# Altium PCB PCB1.pcbdoc (part 3 of 4)
Units mm, origin at the board's own origin, x right, y up, seen from the top; angles counter-clockwise.
Board outline 96.52 x 122.17 mm, 4 copper layers (Top Layer, Inner1, Inner2, Bottom Layer); 129 components, 127 nets, 709 pads, 318 vias.
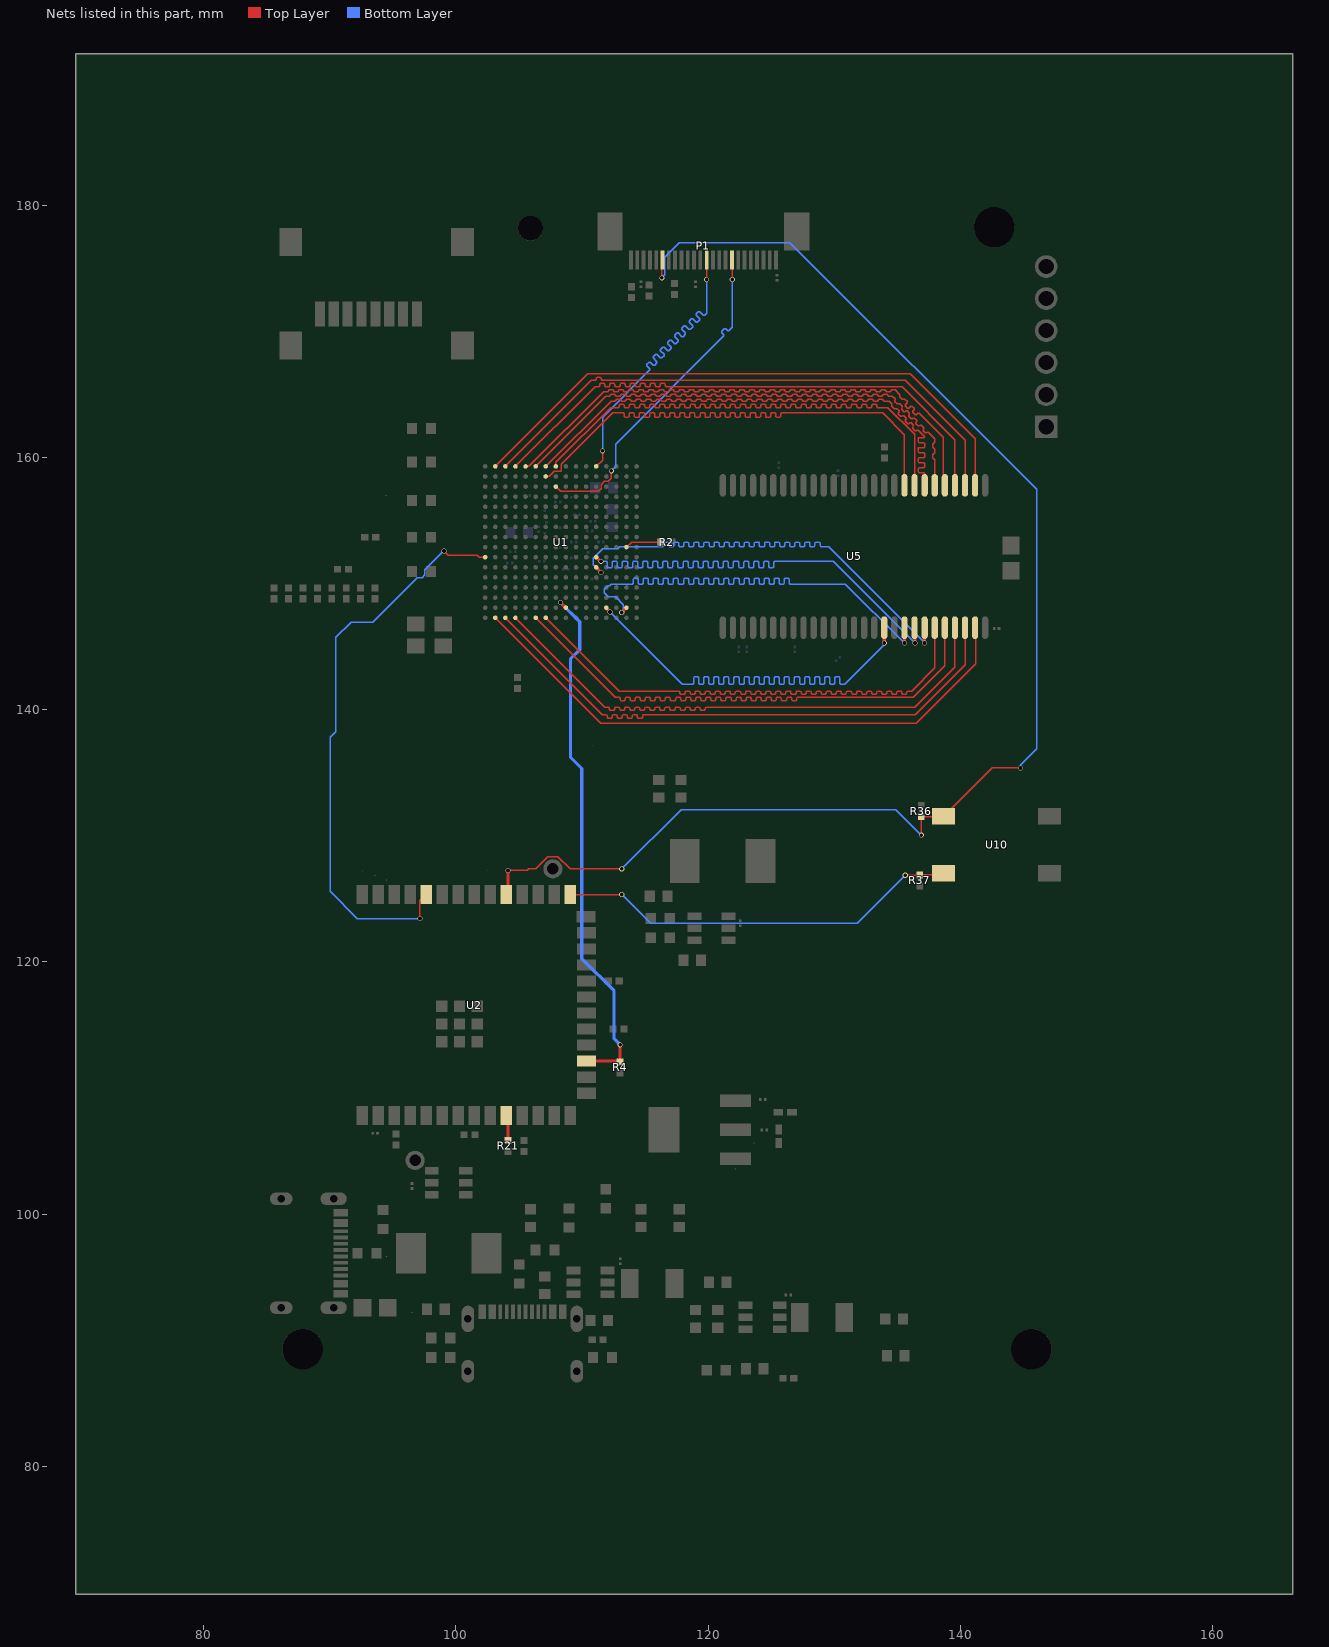
[diagram p5: the nets of this part, all layers, seen from the top]

## Via types
v1: diameter 0.4, hole 0.3, Top Layer to Bottom Layer, 291 vias
v2: diameter 1, hole 0.5, Top Layer to Bottom Layer, 26 vias
v3: diameter 0.5, hole 0.3, Top Layer to Bottom Layer, 1 vias

## Nets (pads, with @x,y where several pads share a name; then routed paths per layer and width w, separated by ;. In a path a pad name is that pad's centre, name@x,y a point inside that pad or via, vN(x,y) a via of type N, cw(c..) or ccw(c..) an arc to the next point about the centre after c; other vN are vias at no path point) (continued)
MCLK: P1.13 U1.A12 | length 27.1
  Top Layer w0.1: U1.A12@111.131,159.289 111.633,159.791 v1(111.633,160.528) ; v1(119.888,174.117) P1.13@119.888,175.655
  Bottom Layer w0.1: v1(111.633,160.528) 111.633,163.195 115.378,166.94 115.378,167.04 115.147,167.271 115.147,167.371 115.33,167.554 115.43,167.554 115.661,167.323 115.761,167.323 115.944,167.506 115.944,167.606 115.663,167.887 115.663,167.987 115.846,168.17 115.946,168.17 116.227,167.889 116.327,167.889 116.509,168.071 116.509,168.171 116.228,168.452 116.228,168.552 116.411,168.735 116.511,168.735 116.792,168.454 116.892,168.454 117.075,168.637 117.075,168.737 116.794,169.018 116.794,169.118 116.977,169.301 117.077,169.301 117.358,169.02 117.458,169.02 117.641,169.203 117.641,169.303 117.36,169.584 117.36,169.684 117.543,169.867 117.643,169.867 117.924,169.586 118.024,169.586 118.206,169.768 118.206,169.868 117.925,170.149 117.925,170.249 118.108,170.432 118.208,170.432 118.489,170.151 118.589,170.151 118.772,170.334 118.772,170.434 118.491,170.715 118.491,170.815 118.674,170.998 118.774,170.998 119.055,170.717 119.155,170.717 119.338,170.9 119.338,171 119.057,171.281 119.057,171.381 119.24,171.564 119.34,171.564 119.621,171.283 119.721,171.283 119.888,171.45 v1(119.888,174.117)
PCLK: P1.17 U1.C8 | length 27
  Top Layer w0.1: U1.C8@107.931,157.689 108.313,157.307 111.289,157.307 111.513,157.531 111.513,157.847 111.773,158.107 112.089,158.107 112.313,158.331 112.313,158.647 112.331,158.665 v1(112.331,158.937) ; P1.17@121.888,175.656 121.92,175.624 v1(121.92,174.117)
  Bottom Layer w0.1: v1(112.331,158.937) 112.67,159.276 112.67,161.057 121.26,169.647 121.26,169.747 121.106,169.901 121.106,170.001 121.288,170.183 121.388,170.183 121.542,170.029 121.642,170.029 121.92,170.307 v1(121.92,174.117)
PROGRAM: R37.1 U2.27 U10.3 | length 32.2
  Top Layer w0.1: U2.27@109.088,125.336 113.144,125.336 v1(113.157,125.349) ; v1(135.636,126.873) 136.751,126.873 R37.1@136.779,126.901 138.541,126.901 U10.3@138.675,127.036
  Bottom Layer w0.1: v1(113.157,125.349) 115.443,123.063 131.826,123.063 v1(135.636,126.873)
PROGRAMN: pad.55@109.093,136.377 R4.2 U1.R9 U2.17 | length 42.2
  Top Layer w0.254: v1(108.294,148.5) 108.32,148.5 U1.R9@108.731,148.089 ; U2.17@110.495,112.141 112.955,112.141 R4.2@113.03,112.066 v1(113.03,113.428)
  Bottom Layer w0.254: v1(108.294,148.5) 109.826,146.968 109.826,144.758 109.093,144.025 pad.55@109.093,136.377 109.093,136.229 109.982,135.34 109.982,120.269 112.551,117.7 112.551,113.907 v1(113.03,113.428)
RESET: P1.6 R36.1 U2.31 U10.1 | length 113.1
  Top Layer w0.1: v1(104.135,127.254) 105.664,127.254 105.791,127.381 106.333,127.381 107.297,128.345 108.095,128.345 109.059,127.381 v1(113.157,127.381) ; v1(116.332,174.244) 116.332,175.599 P1.6@116.389,175.655 ; v1(136.906,130.048) R36.1@136.906,131.52 138.659,131.52 U10.1@138.675,131.536 142.521,135.382 v1(144.78,135.382)
  Top Layer w0.254: U2.31@104.135,125.336 v1(104.135,127.254)
  Bottom Layer w0.1: v1(113.157,127.381) 117.856,132.08 134.874,132.08 v1(136.906,130.048) ; v1(116.332,174.244) 116.558,174.47 116.558,175.867 117.729,177.038 126.492,177.038 146.05,157.48 146.05,136.906 144.78,135.636 v1(144.78,135.382)
RX: U1.K1 U2.36 | length 45.5
  Top Layer w0.1: v1(97.155,123.444) 97.155,124.833 U2.36@97.658,125.336 ; v1(99.061,152.582) 99.389,152.254 101.688,152.254 101.853,152.089 U1.K1@102.331,152.089
  Bottom Layer w0.1: v1(97.155,123.444) 92.202,123.444 90.043,125.603 90.043,137.831 90.483,138.271 90.483,145.728 91.694,146.939 93.418,146.939 96.953,150.474 97.322,150.474 97.557,150.709 97.557,151.078 v1(99.061,152.582)
SCL: R21.1 U2.10 | length 1.9
  Top Layer w0.254: U2.10@104.135,107.836 104.14,107.831 R21.1@104.14,105.918
SD_A0: U1.T6 U5.23 | length 45.3
  Top Layer w0.1: U1.T6@106.331,147.289 112.65,140.97 112.95,140.97 113.021,140.899 113.021,140.787 113.091,140.716 113.35,140.716 113.421,140.787 113.421,140.899 113.491,140.97 113.75,140.97 113.821,140.899 113.821,140.787 113.891,140.716 114.15,140.716 114.221,140.787 114.221,140.899 114.291,140.97 114.55,140.97 114.621,140.899 114.621,140.787 114.691,140.716 114.95,140.716 115.021,140.787 115.021,140.899 115.091,140.97 115.35,140.97 115.421,140.899 115.421,140.787 115.491,140.716 115.75,140.716 115.821,140.787 115.821,140.899 115.891,140.97 116.15,140.97 116.221,140.899 116.221,140.787 116.291,140.716 116.55,140.716 116.621,140.787 116.621,140.899 116.691,140.97 116.95,140.97 117.021,140.899 117.021,140.787 117.091,140.716 117.35,140.716 117.421,140.787 117.421,140.899 117.491,140.97 117.75,140.97 117.821,140.899 117.821,140.787 117.891,140.716 118.15,140.716 118.221,140.787 118.221,140.899 118.291,140.97 118.55,140.97 118.621,140.899 118.621,140.787 118.691,140.716 118.95,140.716 119.021,140.787 119.021,140.899 119.091,140.97 119.35,140.97 119.421,140.899 119.421,140.787 119.491,140.716 119.75,140.716 119.821,140.787 119.821,140.899 119.891,140.97 120.15,140.97 120.221,140.899 120.221,140.787 120.291,140.716 120.55,140.716 120.621,140.787 120.621,140.899 120.691,140.97 120.95,140.97 121.021,140.899 121.021,140.787 121.091,140.716 121.35,140.716 121.421,140.787 121.421,140.899 121.491,140.97 121.75,140.97 121.821,140.899 121.821,140.787 121.891,140.716 122.15,140.716 122.221,140.787 122.221,140.899 122.291,140.97 122.55,140.97 122.621,140.899 122.621,140.787 122.691,140.716 122.95,140.716 123.021,140.787 123.021,140.899 123.091,140.97 123.35,140.97 123.421,140.899 123.421,140.787 123.491,140.716 123.75,140.716 123.821,140.787 123.821,140.899 123.891,140.97 124.15,140.97 124.221,140.899 124.221,140.787 124.291,140.716 124.55,140.716 124.621,140.787 124.621,140.899 124.691,140.97 124.95,140.97 125.021,140.899 125.021,140.787 125.091,140.716 125.35,140.716 125.421,140.787 125.421,140.899 125.491,140.97 125.75,140.97 125.821,140.899 125.821,140.787 125.891,140.716 126.15,140.716 126.221,140.787 126.221,140.899 126.291,140.97 126.55,140.97 126.621,140.899 126.621,140.787 126.691,140.716 126.95,140.716 127.021,140.787 127.021,140.899 127.091,140.97 136.271,140.97 138.772,143.471 U5.23@138.772,146.504
SD_A1: U1.T4 U5.24 | length 45.6
  Top Layer w0.1: U1.T4@104.731,147.289 111.812,140.208 112.112,140.208 112.183,140.137 112.183,140.025 112.253,139.954 112.512,139.954 112.583,140.025 112.583,140.137 112.653,140.208 112.912,140.208 112.983,140.137 112.983,140.025 113.053,139.954 113.312,139.954 113.383,140.025 113.383,140.137 113.453,140.208 113.712,140.208 113.783,140.137 113.783,140.025 113.853,139.954 114.112,139.954 114.183,140.025 114.183,140.137 114.253,140.208 114.512,140.208 114.583,140.137 114.583,140.025 114.653,139.954 114.912,139.954 114.983,140.025 114.983,140.137 115.053,140.208 115.312,140.208 115.383,140.137 115.383,140.025 115.453,139.954 115.712,139.954 115.783,140.025 115.783,140.137 115.853,140.208 116.112,140.208 116.183,140.137 116.183,140.025 116.253,139.954 116.512,139.954 116.583,140.025 116.583,140.137 116.653,140.208 116.912,140.208 116.983,140.137 116.983,140.025 117.053,139.954 117.312,139.954 117.383,140.025 117.383,140.137 117.453,140.208 117.712,140.208 117.783,140.137 117.783,140.025 117.853,139.954 118.112,139.954 118.183,140.025 118.183,140.137 118.253,140.208 118.512,140.208 118.583,140.137 118.583,140.025 118.653,139.954 118.912,139.954 118.983,140.025 118.983,140.137 119.053,140.208 119.312,140.208 119.383,140.137 119.383,140.025 119.453,139.954 119.712,139.954 119.783,140.025 119.783,140.137 119.853,140.208 136.398,140.208 139.573,143.383 U5.24@139.573,146.503
SD_A2: U1.T3 U5.25 | length 45.9
  Top Layer w0.1: U1.T3@103.931,147.289 111.61,139.61 111.933,139.61 112.004,139.539 112.004,139.39 112.074,139.319 112.333,139.319 112.404,139.39 112.404,139.539 112.474,139.61 112.733,139.61 112.804,139.539 112.804,139.39 112.874,139.319 113.133,139.319 113.204,139.39 113.204,139.539 113.274,139.61 113.533,139.61 113.604,139.539 113.604,139.39 113.674,139.319 113.933,139.319 114.004,139.39 114.004,139.539 114.074,139.61 114.333,139.61 114.404,139.539 114.404,139.39 114.474,139.319 114.733,139.319 114.804,139.39 114.804,139.539 114.874,139.61 136.435,139.61 140.372,143.547 U5.25@140.372,146.504
SD_A3: U1.T2 U5.26 | length 46.4
  Top Layer w0.1: U1.T2@103.131,147.289 111.482,138.938 136.525,138.938 141.224,143.637 141.224,146.452 U5.26@141.172,146.504
SD_A4: U1.A2 U5.29 | length 46.9
  Top Layer w0.1: U1.A2@103.131,159.289 110.466,166.624 136.017,166.624 141.172,161.469 U5.29@141.172,157.788
SD_A5: U1.A3 U5.30 | length 45.2
  Top Layer w0.1: U1.A3@103.931,159.289 110.758,166.116 111.058,166.116 111.129,166.187 111.129,166.299 111.199,166.37 111.458,166.37 111.529,166.299 111.529,166.187 111.599,166.116 135.636,166.116 140.372,161.38 U5.30@140.372,157.788
SD_A6: U1.A4 U5.31 | length 45.2
  Top Layer w0.1: U1.A4@104.731,159.289 111.05,165.608 111.35,165.608 111.421,165.679 111.421,165.791 111.491,165.862 111.75,165.862 111.821,165.791 111.821,165.679 111.891,165.608 112.15,165.608 112.221,165.679 112.221,165.791 112.291,165.862 112.55,165.862 112.621,165.791 112.621,165.679 112.691,165.608 112.95,165.608 113.021,165.679 113.021,165.791 113.091,165.862 113.35,165.862 113.421,165.791 113.421,165.679 113.491,165.608 113.75,165.608 113.821,165.679 113.821,165.791 113.891,165.862 114.15,165.862 114.221,165.791 114.221,165.679 114.291,165.608 114.55,165.608 114.621,165.679 114.621,165.791 114.691,165.862 114.95,165.862 115.021,165.791 115.021,165.679 115.091,165.608 115.35,165.608 115.421,165.679 115.421,165.791 115.491,165.862 115.75,165.862 115.821,165.791 115.821,165.679 115.891,165.608 116.15,165.608 116.221,165.679 116.221,165.791 116.291,165.862 116.55,165.862 116.621,165.791 116.621,165.679 116.691,165.608 135.382,165.608 139.572,161.418 U5.31@139.572,157.788
SD_A7: U1.A5 U5.32 | length 45.1
  Top Layer w0.1: U1.A5@105.531,159.289 105.791,159.289 111.729,165.227 112.029,165.227 112.156,165.354 112.429,165.354 112.556,165.227 112.829,165.227 112.956,165.354 113.229,165.354 113.356,165.227 113.629,165.227 113.756,165.354 114.029,165.354 114.156,165.227 114.429,165.227 114.556,165.354 114.829,165.354 114.956,165.227 115.229,165.227 115.356,165.354 115.629,165.354 115.756,165.227 116.029,165.227 116.156,165.354 116.429,165.354 116.556,165.227 116.829,165.227 116.956,165.354 117.229,165.354 117.356,165.227 117.629,165.227 117.756,165.354 118.029,165.354 118.156,165.227 118.429,165.227 118.556,165.354 118.829,165.354 118.956,165.227 119.229,165.227 119.356,165.354 119.629,165.354 119.756,165.227 120.029,165.227 120.156,165.354 120.429,165.354 120.556,165.227 120.829,165.227 120.956,165.354 121.229,165.354 121.356,165.227 121.629,165.227 121.756,165.354 122.029,165.354 122.156,165.227 122.429,165.227 122.556,165.354 122.829,165.354 122.956,165.227 123.229,165.227 123.356,165.354 123.629,165.354 123.756,165.227 124.029,165.227 124.156,165.354 124.429,165.354 124.556,165.227 124.829,165.227 124.956,165.354 125.229,165.354 125.356,165.227 125.629,165.227 125.756,165.354 126.029,165.354 126.156,165.227 126.429,165.227 126.556,165.354 126.829,165.354 126.956,165.227 127.229,165.227 127.356,165.354 127.629,165.354 127.756,165.227 128.029,165.227 128.156,165.354 128.429,165.354 128.556,165.227 128.829,165.227 128.956,165.354 129.229,165.354 129.356,165.227 129.629,165.227 129.756,165.354 130.029,165.354 130.156,165.227 130.429,165.227 130.556,165.354 130.829,165.354 130.956,165.227 131.229,165.227 131.356,165.354 131.629,165.354 131.756,165.227 132.029,165.227 132.156,165.354 132.429,165.354 132.556,165.227 132.829,165.227 132.956,165.354 133.229,165.354 133.356,165.227 133.629,165.227 133.756,165.354 134.029,165.354 134.156,165.227 134.429,165.227 134.556,165.354 134.829,165.354 135.201,164.982 135.201,164.803 135.384,164.62 135.484,164.62 135.496,164.632 135.596,164.632 135.779,164.449 135.779,164.349 135.625,164.195 135.625,164.095 135.807,163.912 135.907,163.912 136.062,164.066 136.162,164.066 136.345,163.883 136.345,163.783 136.239,163.678 136.239,163.578 136.422,163.395 136.522,163.395 136.627,163.501 136.727,163.501 138.645,161.583 138.645,157.915 U5.32@138.772,157.788
SD_A8: U1.A6 U5.33 | length 44.4
  Top Layer w0.1: U1.A6@106.331,159.289 111.888,164.846 112.188,164.846 112.259,164.917 112.259,164.927 112.329,164.998 112.588,164.998 112.659,164.927 112.659,164.917 112.729,164.846 112.988,164.846 113.059,164.917 113.059,164.927 113.129,164.998 113.388,164.998 113.459,164.927 113.459,164.917 113.529,164.846 113.788,164.846 113.859,164.917 113.859,164.927 113.929,164.998 114.188,164.998 114.259,164.927 114.259,164.917 114.329,164.846 114.588,164.846 114.659,164.917 114.659,164.927 114.729,164.998 114.988,164.998 115.059,164.927 115.059,164.917 115.129,164.846 115.388,164.846 115.459,164.917 115.459,164.927 115.529,164.998 115.788,164.998 115.859,164.927 115.859,164.917 115.929,164.846 116.188,164.846 116.259,164.917 116.259,164.927 116.329,164.998 116.588,164.998 116.659,164.927 116.659,164.917 116.729,164.846 116.988,164.846 117.059,164.917 117.059,164.927 117.129,164.998 117.388,164.998 117.459,164.927 117.459,164.917 117.529,164.846 117.788,164.846 117.859,164.917 117.859,164.927 117.929,164.998 118.188,164.998 118.259,164.927 118.259,164.917 118.329,164.846 118.588,164.846 118.659,164.917 118.659,164.927 118.729,164.998 118.988,164.998 119.059,164.927 119.059,164.917 119.129,164.846 119.388,164.846 119.459,164.917 119.459,164.927 119.529,164.998 119.788,164.998 119.859,164.927 119.859,164.917 119.929,164.846 120.188,164.846 120.259,164.917 120.259,164.927 120.329,164.998 120.588,164.998 120.659,164.927 120.659,164.917 120.729,164.846 120.988,164.846 121.059,164.917 121.059,164.927 121.129,164.998 121.388,164.998 121.459,164.927 121.459,164.917 121.529,164.846 121.788,164.846 121.859,164.917 121.859,164.927 121.929,164.998 122.188,164.998 122.259,164.927 122.259,164.917 122.329,164.846 122.588,164.846 122.659,164.917 122.659,164.927 122.729,164.998 122.988,164.998 123.059,164.927 123.059,164.917 123.129,164.846 123.388,164.846 123.459,164.917 123.459,164.927 123.529,164.998 123.788,164.998 123.859,164.927 123.859,164.917 123.929,164.846 124.188,164.846 124.259,164.917 124.259,164.927 124.329,164.998 124.588,164.998 124.659,164.927 124.659,164.917 124.729,164.846 124.988,164.846 125.059,164.917 125.059,164.927 125.129,164.998 125.388,164.998 125.459,164.927 125.459,164.917 125.529,164.846 125.788,164.846 125.859,164.917 125.859,164.927 125.929,164.998 126.188,164.998 126.259,164.927 126.259,164.917 126.329,164.846 126.588,164.846 126.659,164.917 126.659,164.927 126.729,164.998 126.988,164.998 127.059,164.927 127.059,164.917 127.129,164.846 127.388,164.846 127.459,164.917 127.459,164.927 127.529,164.998 127.788,164.998 127.859,164.927 127.859,164.917 127.929,164.846 128.188,164.846 128.259,164.917 128.259,164.927 128.329,164.998 128.588,164.998 128.659,164.927 128.659,164.917 128.729,164.846 128.988,164.846 129.059,164.917 129.059,164.927 129.129,164.998 129.388,164.998 129.459,164.927 129.459,164.917 129.529,164.846 129.788,164.846 129.859,164.917 129.859,164.927 129.929,164.998 130.188,164.998 130.259,164.927 130.259,164.917 130.329,164.846 130.588,164.846 130.659,164.917 130.659,164.927 130.729,164.998 130.988,164.998 131.059,164.927 131.059,164.917 131.129,164.846 131.388,164.846 131.459,164.917 131.459,164.927 131.529,164.998 131.788,164.998 131.859,164.927 131.859,164.917 131.929,164.846 132.188,164.846 132.259,164.917 132.259,164.927 132.329,164.998 132.588,164.998 132.659,164.927 132.659,164.917 132.729,164.846 132.988,164.846 133.059,164.917 133.059,164.927 133.129,164.998 133.388,164.998 133.459,164.927 133.459,164.917 133.529,164.846 133.788,164.846 133.859,164.917 133.859,164.927 133.929,164.998 134.188,164.998 134.259,164.927 134.259,164.917 134.329,164.846 134.62,164.846 134.832,164.634 134.832,164.534 134.82,164.522 134.82,164.422 135.003,164.239 135.103,164.239 135.115,164.251 135.215,164.251 135.398,164.068 135.398,163.968 135.342,163.913 135.342,163.813 135.525,163.63 135.625,163.63 135.681,163.685 135.781,163.685 135.964,163.502 135.964,163.402 135.908,163.347 135.908,163.247 136.091,163.064 136.191,163.064 136.246,163.12 136.346,163.12 136.529,162.937 136.529,162.837 136.474,162.781 136.474,162.681 136.657,162.499 136.757,162.499 136.812,162.554 136.912,162.554 137.095,162.371 137.095,162.271 137.048,162.225 137.048,162.125 137.231,161.942 137.331,161.942 137.378,161.988 137.478,161.988 137.972,161.494 137.972,161.194 137.901,161.123 137.884,161.123 137.813,161.053 137.813,160.794 137.884,160.723 137.901,160.723 137.972,160.653 137.972,160.353 137.901,160.282 137.884,160.282 137.813,160.211 137.813,159.953 137.884,159.882 137.901,159.882 137.972,159.811 U5.33@137.972,157.788
SD_A9: U1.A7 U5.34 | length 45.4
  Top Layer w0.1: U1.A7@107.131,159.289 112.307,164.465 112.607,164.465 112.678,164.536 112.678,164.546 112.749,164.617 113.007,164.617 113.078,164.546 113.078,164.536 113.149,164.465 113.407,164.465 113.478,164.536 113.478,164.546 113.549,164.617 113.807,164.617 113.878,164.546 113.878,164.536 113.949,164.465 114.207,164.465 114.278,164.536 114.278,164.546 114.349,164.617 114.607,164.617 114.678,164.546 114.678,164.536 114.749,164.465 115.007,164.465 115.078,164.536 115.078,164.546 115.149,164.617 115.407,164.617 115.478,164.546 115.478,164.536 115.549,164.465 115.807,164.465 115.878,164.536 115.878,164.546 115.949,164.617 116.207,164.617 116.278,164.546 116.278,164.536 116.349,164.465 116.607,164.465 116.678,164.536 116.678,164.546 116.749,164.617 117.007,164.617 117.078,164.546 117.078,164.536 117.149,164.465 117.407,164.465 117.478,164.536 117.478,164.546 117.549,164.617 117.807,164.617 117.878,164.546 117.878,164.536 117.949,164.465 118.207,164.465 118.278,164.536 118.278,164.546 118.349,164.617 118.607,164.617 118.678,164.546 118.678,164.536 118.749,164.465 119.007,164.465 119.078,164.536 119.078,164.546 119.149,164.617 119.407,164.617 119.478,164.546 119.478,164.536 119.549,164.465 119.807,164.465 119.878,164.536 119.878,164.546 119.949,164.617 120.207,164.617 120.278,164.546 120.278,164.536 120.349,164.465 120.607,164.465 120.678,164.536 120.678,164.546 120.749,164.617 121.007,164.617 121.078,164.546 121.078,164.536 121.149,164.465 121.407,164.465 121.478,164.536 121.478,164.546 121.549,164.617 121.807,164.617 121.878,164.546 121.878,164.536 121.949,164.465 122.207,164.465 122.278,164.536 122.278,164.546 122.349,164.617 122.607,164.617 122.678,164.546 122.678,164.536 122.749,164.465 123.007,164.465 123.078,164.536 123.078,164.546 123.149,164.617 123.407,164.617 123.478,164.546 123.478,164.536 123.549,164.465 123.807,164.465 123.878,164.536 123.878,164.546 123.949,164.617 124.207,164.617 124.278,164.546 124.278,164.536 124.349,164.465 124.607,164.465 124.678,164.536 124.678,164.546 124.749,164.617 125.007,164.617 125.078,164.546 125.078,164.536 125.149,164.465 125.407,164.465 125.478,164.536 125.478,164.546 125.549,164.617 125.807,164.617 125.878,164.546 125.878,164.536 125.949,164.465 126.207,164.465 126.278,164.536 126.278,164.546 126.349,164.617 126.607,164.617 126.678,164.546 126.678,164.536 126.749,164.465 127.007,164.465 127.078,164.536 127.078,164.546 127.149,164.617 127.407,164.617 127.478,164.546 127.478,164.536 127.549,164.465 127.807,164.465 127.878,164.536 127.878,164.546 127.949,164.617 128.207,164.617 128.278,164.546 128.278,164.536 128.349,164.465 128.607,164.465 128.678,164.536 128.678,164.546 128.749,164.617 129.007,164.617 129.078,164.546 129.078,164.536 129.149,164.465 129.407,164.465 129.478,164.536 129.478,164.546 129.549,164.617 129.807,164.617 129.878,164.546 129.878,164.536 129.949,164.465 130.207,164.465 130.278,164.536 130.278,164.546 130.349,164.617 130.607,164.617 130.678,164.546 130.678,164.536 130.749,164.465 131.007,164.465 131.078,164.536 131.078,164.546 131.149,164.617 131.407,164.617 131.478,164.546 131.478,164.536 131.549,164.465 131.807,164.465 131.878,164.536 131.878,164.546 131.949,164.617 132.207,164.617 132.278,164.546 132.278,164.536 132.349,164.465 132.607,164.465 132.678,164.536 132.678,164.546 132.749,164.617 133.007,164.617 133.078,164.546 133.078,164.536 133.149,164.465 133.407,164.465 133.478,164.536 133.478,164.546 133.549,164.617 133.807,164.617 133.878,164.546 133.878,164.536 133.949,164.465 134.366,164.465 134.578,164.253 134.578,164.153 134.566,164.141 134.566,164.041 134.749,163.858 134.849,163.858 134.861,163.87 134.961,163.87 135.144,163.687 135.144,163.587 135.088,163.532 135.088,163.432 135.271,163.249 135.371,163.249 135.427,163.304 135.527,163.304 135.71,163.121 135.71,163.021 135.654,162.966 135.654,162.866 135.837,162.683 135.937,162.683 135.992,162.739 136.092,162.739 136.275,162.556 136.275,162.456 136.22,162.4 136.22,162.3 136.403,162.118 136.503,162.118 136.558,162.173 136.658,162.173 137.172,161.659 137.172,161.651 137.101,161.58 136.723,161.58 136.652,161.51 136.652,161.251 136.723,161.18 137.101,161.18 137.172,161.11 137.172,160.851 137.101,160.78 136.723,160.78 136.652,160.71 136.652,160.451 136.723,160.38 137.101,160.38 137.172,160.31 137.172,160.051 137.101,159.98 136.723,159.98 136.652,159.91 136.652,159.651 136.723,159.58 137.101,159.58 137.172,159.51 137.172,159.251 137.101,159.18 136.723,159.18 136.652,159.11 136.652,158.851 136.723,158.78 137.101,158.78 137.172,158.71 U5.34@137.172,157.788
SD_A10: U1.T7 U5.22 | length 45.1
  Top Layer w0.1: U1.T7@107.131,147.289 112.942,141.478 117.703,141.478 117.773,141.407 117.773,141.295 117.844,141.224 118.103,141.224 118.173,141.295 118.173,141.407 118.244,141.478 118.503,141.478 118.573,141.407 118.573,141.295 118.644,141.224 118.903,141.224 118.973,141.295 118.973,141.407 119.044,141.478 119.303,141.478 119.373,141.407 119.373,141.295 119.444,141.224 119.703,141.224 119.773,141.295 119.773,141.407 119.844,141.478 120.103,141.478 120.173,141.407 120.173,141.295 120.244,141.224 120.503,141.224 120.573,141.295 120.573,141.407 120.644,141.478 120.903,141.478 120.973,141.407 120.973,141.295 121.044,141.224 121.303,141.224 121.373,141.295 121.373,141.407 121.444,141.478 121.703,141.478 121.773,141.407 121.773,141.295 121.844,141.224 122.103,141.224 122.173,141.295 122.173,141.407 122.244,141.478 122.503,141.478 122.573,141.407 122.573,141.295 122.644,141.224 122.903,141.224 122.973,141.295 122.973,141.407 123.044,141.478 123.303,141.478 123.373,141.407 123.373,141.295 123.444,141.224 123.703,141.224 123.773,141.295 123.773,141.407 123.844,141.478 124.103,141.478 124.173,141.407 124.173,141.295 124.244,141.224 124.503,141.224 124.573,141.295 124.573,141.407 124.644,141.478 124.903,141.478 124.973,141.407 124.973,141.295 125.044,141.224 125.303,141.224 125.373,141.295 125.373,141.407 125.444,141.478 125.703,141.478 125.773,141.407 125.773,141.295 125.844,141.224 126.103,141.224 126.173,141.295 126.173,141.407 126.244,141.478 126.503,141.478 126.573,141.407 126.573,141.295 126.644,141.224 126.903,141.224 126.973,141.295 126.973,141.407 127.044,141.478 127.303,141.478 127.373,141.407 127.373,141.295 127.444,141.224 127.703,141.224 127.773,141.295 127.773,141.407 127.844,141.478 128.103,141.478 128.173,141.407 128.173,141.295 128.244,141.224 128.503,141.224 128.573,141.295 128.573,141.407 128.644,141.478 128.903,141.478 128.973,141.407 128.973,141.295 129.044,141.224 129.303,141.224 129.373,141.295 129.373,141.407 129.444,141.478 129.703,141.478 129.773,141.407 129.773,141.295 129.844,141.224 130.103,141.224 130.173,141.295 130.173,141.407 130.244,141.478 130.503,141.478 130.573,141.407 130.573,141.295 130.644,141.224 130.903,141.224 130.973,141.295 130.973,141.407 131.044,141.478 131.303,141.478 131.373,141.407 131.373,141.295 131.444,141.224 131.703,141.224 131.773,141.295 131.773,141.407 131.844,141.478 132.103,141.478 132.173,141.407 132.173,141.295 132.244,141.224 132.503,141.224 132.573,141.295 132.573,141.407 132.644,141.478 132.903,141.478 132.973,141.407 132.973,141.295 133.044,141.224 133.303,141.224 133.373,141.295 133.373,141.407 133.444,141.478 133.703,141.478 133.773,141.407 133.773,141.295 133.844,141.224 134.103,141.224 134.173,141.295 134.173,141.407 134.244,141.478 134.503,141.478 134.573,141.407 134.573,141.295 134.644,141.224 134.903,141.224 134.973,141.295 134.973,141.407 135.044,141.478 135.303,141.478 135.373,141.407 135.373,141.295 135.444,141.224 135.703,141.224 135.773,141.295 135.773,141.407 135.844,141.478 136.144,141.478 137.972,143.306 U5.22@137.972,146.504
SD_A11: U1.A8 U5.35 | length 44.4
  Top Layer w0.1: U1.A8@107.931,159.289 107.931,159.62 112.268,163.957 112.899,163.957 112.97,164.028 112.97,164.14 113.04,164.211 113.299,164.211 113.37,164.14 113.37,164.028 113.44,163.957 113.699,163.957 113.77,164.028 113.77,164.14 113.84,164.211 114.099,164.211 114.17,164.14 114.17,164.028 114.24,163.957 114.499,163.957 114.57,164.028 114.57,164.14 114.64,164.211 114.899,164.211 114.97,164.14 114.97,164.028 115.04,163.957 115.299,163.957 115.37,164.028 115.37,164.14 115.44,164.211 115.699,164.211 115.77,164.14 115.77,164.028 115.84,163.957 116.099,163.957 116.17,164.028 116.17,164.14 116.24,164.211 116.499,164.211 116.57,164.14 116.57,164.028 116.64,163.957 116.899,163.957 116.97,164.028 116.97,164.14 117.04,164.211 117.299,164.211 117.37,164.14 117.37,164.028 117.44,163.957 117.699,163.957 117.77,164.028 117.77,164.14 117.84,164.211 118.099,164.211 118.17,164.14 118.17,164.028 118.24,163.957 118.499,163.957 118.57,164.028 118.57,164.14 118.64,164.211 118.899,164.211 118.97,164.14 118.97,164.028 119.04,163.957 119.299,163.957 119.37,164.028 119.37,164.14 119.44,164.211 119.699,164.211 119.77,164.14 119.77,164.028 119.84,163.957 120.099,163.957 120.17,164.028 120.17,164.14 120.24,164.211 120.499,164.211 120.57,164.14 120.57,164.028 120.64,163.957 120.899,163.957 120.97,164.028 120.97,164.14 121.04,164.211 121.299,164.211 121.37,164.14 121.37,164.028 121.44,163.957 121.699,163.957 121.77,164.028 121.77,164.14 121.84,164.211 122.099,164.211 122.17,164.14 122.17,164.028 122.24,163.957 122.499,163.957 122.57,164.028 122.57,164.14 122.64,164.211 122.899,164.211 122.97,164.14 122.97,164.028 123.04,163.957 123.299,163.957 123.37,164.028 123.37,164.14 123.44,164.211 123.699,164.211 123.77,164.14 123.77,164.028 123.84,163.957 124.099,163.957 124.17,164.028 124.17,164.14 124.24,164.211 124.499,164.211 124.57,164.14 124.57,164.028 124.64,163.957 124.899,163.957 124.97,164.028 124.97,164.14 125.04,164.211 125.299,164.211 125.37,164.14 125.37,164.028 125.44,163.957 125.699,163.957 125.77,164.028 125.77,164.14 125.84,164.211 126.099,164.211 126.17,164.14 126.17,164.028 126.24,163.957 126.499,163.957 126.57,164.028 126.57,164.14 126.64,164.211 126.899,164.211 126.97,164.14 126.97,164.028 127.04,163.957 127.299,163.957 127.37,164.028 127.37,164.14 127.44,164.211 127.699,164.211 127.77,164.14 127.77,164.028 127.84,163.957 128.099,163.957 128.17,164.028 128.17,164.14 128.24,164.211 128.499,164.211 128.57,164.14 128.57,164.028 128.64,163.957 128.899,163.957 128.97,164.028 128.97,164.14 129.04,164.211 129.299,164.211 129.37,164.14 129.37,164.028 129.44,163.957 129.699,163.957 129.77,164.028 129.77,164.14 129.84,164.211 130.099,164.211 130.17,164.14 130.17,164.028 130.24,163.957 130.499,163.957 130.57,164.028 130.57,164.14 130.64,164.211 130.899,164.211 130.97,164.14 130.97,164.028 131.04,163.957 131.299,163.957 131.37,164.028 131.37,164.14 131.44,164.211 131.699,164.211 131.77,164.14 131.77,164.028 131.84,163.957 132.099,163.957 132.17,164.028 132.17,164.14 132.24,164.211 132.499,164.211 132.57,164.14 132.57,164.028 132.64,163.957 132.899,163.957 132.97,164.028 132.97,164.14 133.04,164.211 133.299,164.211 133.37,164.14 133.37,164.028 133.44,163.957 134.239,163.957 136.372,161.824 U5.35@136.372,157.788
SD_A12: U1.B7 U5.36 | length 45.1
  Top Layer w0.1: U1.B7@107.131,158.489 107.391,158.489 107.809,158.907 108.324,158.907 108.349,158.932 108.349,159.447 112.451,163.549 113.291,163.549 113.362,163.478 113.362,163.239 113.432,163.168 113.691,163.168 113.762,163.239 113.762,163.478 113.832,163.549 114.091,163.549 114.162,163.478 114.162,163.239 114.232,163.168 114.491,163.168 114.562,163.239 114.562,163.478 114.632,163.549 114.891,163.549 114.962,163.478 114.962,163.239 115.032,163.168 115.291,163.168 115.362,163.239 115.362,163.478 115.432,163.549 115.691,163.549 115.762,163.478 115.762,163.239 115.832,163.168 116.091,163.168 116.162,163.239 116.162,163.478 116.232,163.549 116.491,163.549 116.562,163.478 116.562,163.239 116.632,163.168 116.891,163.168 116.962,163.239 116.962,163.478 117.032,163.549 117.291,163.549 117.362,163.478 117.362,163.239 117.432,163.168 117.691,163.168 117.762,163.239 117.762,163.478 117.832,163.549 118.091,163.549 118.162,163.478 118.162,163.239 118.232,163.168 118.491,163.168 118.562,163.239 118.562,163.478 118.632,163.549 118.891,163.549 118.962,163.478 118.962,163.239 119.032,163.168 119.291,163.168 119.362,163.239 119.362,163.478 119.432,163.549 119.691,163.549 119.762,163.478 119.762,163.239 119.832,163.168 120.091,163.168 120.162,163.239 120.162,163.478 120.232,163.549 120.491,163.549 120.562,163.478 120.562,163.239 120.632,163.168 120.891,163.168 120.962,163.239 120.962,163.478 121.032,163.549 121.291,163.549 121.362,163.478 121.362,163.239 121.432,163.168 121.691,163.168 121.762,163.239 121.762,163.478 121.832,163.549 122.091,163.549 122.162,163.478 122.162,163.239 122.232,163.168 122.491,163.168 122.562,163.239 122.562,163.478 122.632,163.549 122.891,163.549 122.962,163.478 122.962,163.239 123.032,163.168 123.291,163.168 123.362,163.239 123.362,163.478 123.432,163.549 123.691,163.549 123.762,163.478 123.762,163.239 123.832,163.168 124.091,163.168 124.162,163.239 124.162,163.478 124.232,163.549 124.491,163.549 124.562,163.478 124.562,163.239 124.632,163.168 124.891,163.168 124.962,163.239 124.962,163.478 125.032,163.549 125.291,163.549 125.362,163.478 125.362,163.239 125.432,163.168 125.691,163.168 125.762,163.239 125.762,163.478 125.832,163.549 133.831,163.549 135.572,161.808 U5.36@135.572,157.788
SD_BA0: U1.K12 U5.20 | length 43.4
  Top Layer w0.254: U1.K12@111.131,152.089 111.457,151.763 v1(111.504,151.763) ; U5.20@136.372,146.504 136.398,146.478 v1(136.398,145.288)
  Bottom Layer w0.1: v1(111.504,151.763) 111.945,151.763 112.016,151.693 112.016,151.337 112.087,151.266 112.345,151.266 112.416,151.337 112.416,151.693 112.487,151.763 112.745,151.763 112.816,151.693 112.816,151.337 112.887,151.266 113.145,151.266 113.216,151.337 113.216,151.693 113.287,151.763 113.545,151.763 113.616,151.693 113.616,151.337 113.687,151.266 113.945,151.266 114.016,151.337 114.016,151.693 114.087,151.763 114.345,151.763 114.416,151.693 114.416,151.337 114.487,151.266 114.745,151.266 114.816,151.337 114.816,151.693 114.887,151.763 115.145,151.763 115.216,151.693 115.216,151.337 115.287,151.266 115.545,151.266 115.616,151.337 115.616,151.693 115.687,151.763 115.945,151.763 116.016,151.693 116.016,151.337 116.087,151.266 116.345,151.266 116.416,151.337 116.416,151.693 116.487,151.763 116.745,151.763 116.816,151.693 116.816,151.337 116.887,151.266 117.145,151.266 117.216,151.337 117.216,151.693 117.287,151.763 117.545,151.763 117.616,151.693 117.616,151.337 117.687,151.266 117.945,151.266 118.016,151.337 118.016,151.693 118.087,151.763 118.345,151.763 118.416,151.693 118.416,151.337 118.487,151.266 118.745,151.266 118.816,151.337 118.816,151.693 118.887,151.763 119.145,151.763 119.216,151.693 119.216,151.337 119.287,151.266 119.545,151.266 119.616,151.337 119.616,151.693 119.687,151.763 119.945,151.763 120.016,151.693 120.016,151.337 120.087,151.266 120.345,151.266 120.416,151.337 120.416,151.693 120.487,151.763 120.745,151.763 120.816,151.693 120.816,151.337 120.887,151.266 121.145,151.266 121.216,151.337 121.216,151.693 121.287,151.763 121.545,151.763 121.616,151.693 121.616,151.337 121.687,151.266 121.945,151.266 122.016,151.337 122.016,151.693 122.087,151.763 122.345,151.763 122.416,151.693 122.416,151.337 122.487,151.266 122.745,151.266 122.816,151.337 122.816,151.693 122.887,151.763 123.145,151.763 123.216,151.693 123.216,151.337 123.287,151.266 123.545,151.266 123.616,151.337 123.616,151.693 123.687,151.763 123.945,151.763 124.016,151.693 124.016,151.337 124.087,151.266 124.345,151.266 124.416,151.337 124.416,151.693 124.487,151.763 124.745,151.763 124.816,151.693 124.816,151.337 124.887,151.266 125.145,151.266 125.216,151.337 125.216,151.693 125.287,151.763 129.923,151.763 v1(136.398,145.288)
SD_BA1: U1.L12 U5.21 | length 42.5
  Top Layer w0.254: U1.L12@111.131,151.289 111.506,150.914 v1(111.506,150.876) ; v1(137.172,145.288) U5.21@137.172,146.504
  Bottom Layer w0.1: v1(111.506,150.876) 110.902,151.48 110.902,152.013 111.643,152.753 112.835,152.753 112.99,152.908 116.405,152.908 116.476,152.979 116.476,153.218 116.547,153.289 116.805,153.289 116.876,153.218 116.876,152.979 116.947,152.908 117.205,152.908 117.276,152.979 117.276,153.218 117.347,153.289 117.605,153.289 117.676,153.218 117.676,152.979 117.747,152.908 118.005,152.908 118.076,152.979 118.076,153.218 118.147,153.289 118.405,153.289 118.476,153.218 118.476,152.979 118.547,152.908 118.805,152.908 118.876,152.979 118.876,153.218 118.947,153.289 119.205,153.289 119.276,153.218 119.276,152.979 119.347,152.908 119.605,152.908 119.676,152.979 119.676,153.218 119.747,153.289 120.005,153.289 120.076,153.218 120.076,152.979 120.147,152.908 120.405,152.908 120.476,152.979 120.476,153.218 120.547,153.289 120.805,153.289 120.876,153.218 120.876,152.979 120.947,152.908 121.205,152.908 121.276,152.979 121.276,153.218 121.347,153.289 121.605,153.289 121.676,153.218 121.676,152.979 121.747,152.908 122.005,152.908 122.076,152.979 122.076,153.218 122.147,153.289 122.405,153.289 122.476,153.218 122.476,152.979 122.547,152.908 122.805,152.908 122.876,152.979 122.876,153.218 122.947,153.289 123.205,153.289 123.276,153.218 123.276,152.979 123.347,152.908 123.605,152.908 123.676,152.979 123.676,153.218 123.747,153.289 124.005,153.289 124.076,153.218 124.076,152.979 124.147,152.908 124.405,152.908 124.476,152.979 124.476,153.218 124.547,153.289 124.805,153.289 124.876,153.218 124.876,152.979 124.947,152.908 125.205,152.908 125.276,152.979 125.276,153.218 125.347,153.289 125.605,153.289 125.676,153.218 125.676,152.979 125.747,152.908 126.005,152.908 126.076,152.979 126.076,153.218 126.147,153.289 126.405,153.289 126.476,153.218 126.476,152.979 126.547,152.908 126.805,152.908 126.876,152.979 126.876,153.218 126.947,153.289 127.205,153.289 127.276,153.218 127.276,152.979 127.347,152.908 127.605,152.908 127.676,152.979 127.676,153.218 127.747,153.289 128.005,153.289 128.076,153.218 128.076,152.979 128.147,152.908 128.405,152.908 128.476,152.979 128.476,153.218 128.547,153.289 128.805,153.289 128.876,153.218 128.876,152.979 128.947,152.908 129.552,152.908 v1(137.172,145.288)
SD_CAS_N: U1.R13 U5.17 | length 43.1
  Top Layer w0.254: U1.R13@111.931,148.089 111.931,148.041 v1(112.22,147.753) ; v1(133.972,145.288) U5.17@133.972,146.504
  Bottom Layer w0.1: v1(112.22,147.753) 117.963,142.009 118.783,142.009 118.854,142.08 118.854,142.55 118.924,142.621 119.183,142.621 119.254,142.55 119.254,142.08 119.324,142.009 119.583,142.009 119.654,142.08 119.654,142.55 119.724,142.621 119.983,142.621 120.054,142.55 120.054,142.08 120.124,142.009 120.383,142.009 120.454,142.08 120.454,142.55 120.524,142.621 120.783,142.621 120.854,142.55 120.854,142.08 120.924,142.009 121.183,142.009 121.254,142.08 121.254,142.55 121.324,142.621 121.583,142.621 121.654,142.55 121.654,142.08 121.724,142.009 121.983,142.009 122.054,142.08 122.054,142.55 122.124,142.621 122.383,142.621 122.454,142.55 122.454,142.08 122.524,142.009 122.783,142.009 122.854,142.08 122.854,142.55 122.924,142.621 123.183,142.621 123.254,142.55 123.254,142.08 123.324,142.009 123.583,142.009 123.654,142.08 123.654,142.55 123.724,142.621 123.983,142.621 124.054,142.55 124.054,142.08 124.124,142.009 124.383,142.009 124.454,142.08 124.454,142.55 124.524,142.621 124.783,142.621 124.854,142.55 124.854,142.08 124.924,142.009 125.183,142.009 125.254,142.08 125.254,142.55 125.324,142.621 125.583,142.621 125.654,142.55 125.654,142.08 125.724,142.009 125.983,142.009 126.054,142.08 126.054,142.55 126.124,142.621 126.383,142.621 126.454,142.55 126.454,142.08 126.524,142.009 126.783,142.009 126.854,142.08 126.854,142.55 126.924,142.621 127.183,142.621 127.254,142.55 127.254,142.08 127.324,142.009 127.583,142.009 127.654,142.08 127.654,142.55 127.724,142.621 127.983,142.621 128.054,142.55 128.054,142.08 128.124,142.009 128.383,142.009 128.454,142.08 128.454,142.55 128.524,142.621 128.783,142.621 128.854,142.55 128.854,142.08 128.924,142.009 129.183,142.009 129.254,142.08 129.254,142.55 129.324,142.621 129.583,142.621 129.654,142.55 129.654,142.08 129.724,142.009 129.983,142.009 130.054,142.08 130.054,142.55 130.124,142.621 130.383,142.621 130.454,142.55 130.454,142.08 130.524,142.009 130.824,142.009 133.972,145.157 v1(133.972,145.288)
SD_CLK: R2.2 U1.J15 | length 2.9
  Top Layer w0.1: U1.J15@113.531,152.889 113.931,153.289 R2.2@116.28,153.289
SD_CS_N: U1.R15 U5.19 | length 43
  Top Layer w0.254: v1(113.157,147.701) 113.531,148.075 U1.R15@113.531,148.089 ; v1(135.572,145.288) U5.19@135.572,146.504
  Bottom Layer w0.1: v1(113.157,147.701) 113.284,147.701 113.284,148.336 112.67,148.95 112.101,148.95 111.789,149.262 111.789,149.55 112.07,149.831 112.197,149.831 112.324,149.958 113.984,149.958 114.054,150.029 114.054,150.358 114.125,150.429 114.384,150.429 114.454,150.358 114.454,150.029 114.525,149.958 114.784,149.958 114.854,150.029 114.854,150.358 114.925,150.429 115.184,150.429 115.254,150.358 115.254,150.029 115.325,149.958 115.584,149.958 115.654,150.029 115.654,150.358 115.725,150.429 115.984,150.429 116.054,150.358 116.054,150.029 116.125,149.958 116.384,149.958 116.454,150.029 116.454,150.358 116.525,150.429 116.784,150.429 116.854,150.358 116.854,150.029 116.925,149.958 117.184,149.958 117.254,150.029 117.254,150.358 117.325,150.429 117.584,150.429 117.654,150.358 117.654,150.029 117.725,149.958 117.984,149.958 118.054,150.029 118.054,150.358 118.125,150.429 118.384,150.429 118.454,150.358 118.454,150.029 118.525,149.958 118.784,149.958 118.854,150.029 118.854,150.358 118.925,150.429 119.184,150.429 119.254,150.358 119.254,150.029 119.325,149.958 119.584,149.958 119.654,150.029 119.654,150.358 119.725,150.429 119.984,150.429 120.054,150.358 120.054,150.029 120.125,149.958 120.384,149.958 120.454,150.029 120.454,150.358 120.525,150.429 120.784,150.429 120.854,150.358 120.854,150.029 120.925,149.958 121.184,149.958 121.254,150.029 121.254,150.358 121.325,150.429 121.584,150.429 121.654,150.358 121.654,150.029 121.725,149.958 121.984,149.958 122.054,150.029 122.054,150.358 122.125,150.429 122.384,150.429 122.454,150.358 122.454,150.029 122.525,149.958 122.784,149.958 122.854,150.029 122.854,150.358 122.925,150.429 123.184,150.429 123.254,150.358 123.254,150.029 123.325,149.958 123.584,149.958 123.654,150.029 123.654,150.358 123.725,150.429 123.984,150.429 124.054,150.358 124.054,150.029 124.125,149.958 124.384,149.958 124.454,150.029 124.454,150.358 124.525,150.429 124.784,150.429 124.854,150.358 124.854,150.029 124.925,149.958 125.184,149.958 125.254,150.029 125.254,150.358 125.325,150.429 125.584,150.429 125.654,150.358 125.654,150.029 125.725,149.958 125.984,149.958 126.054,150.029 126.054,150.358 126.125,150.429 126.384,150.429 126.454,150.358 126.454,150.029 126.525,149.958 130.881,149.958 135.424,145.415 135.445,145.415 v1(135.572,145.288)